# Altium PCB SunS_main_board.PcbDoc (part 1 of 2) (continued)
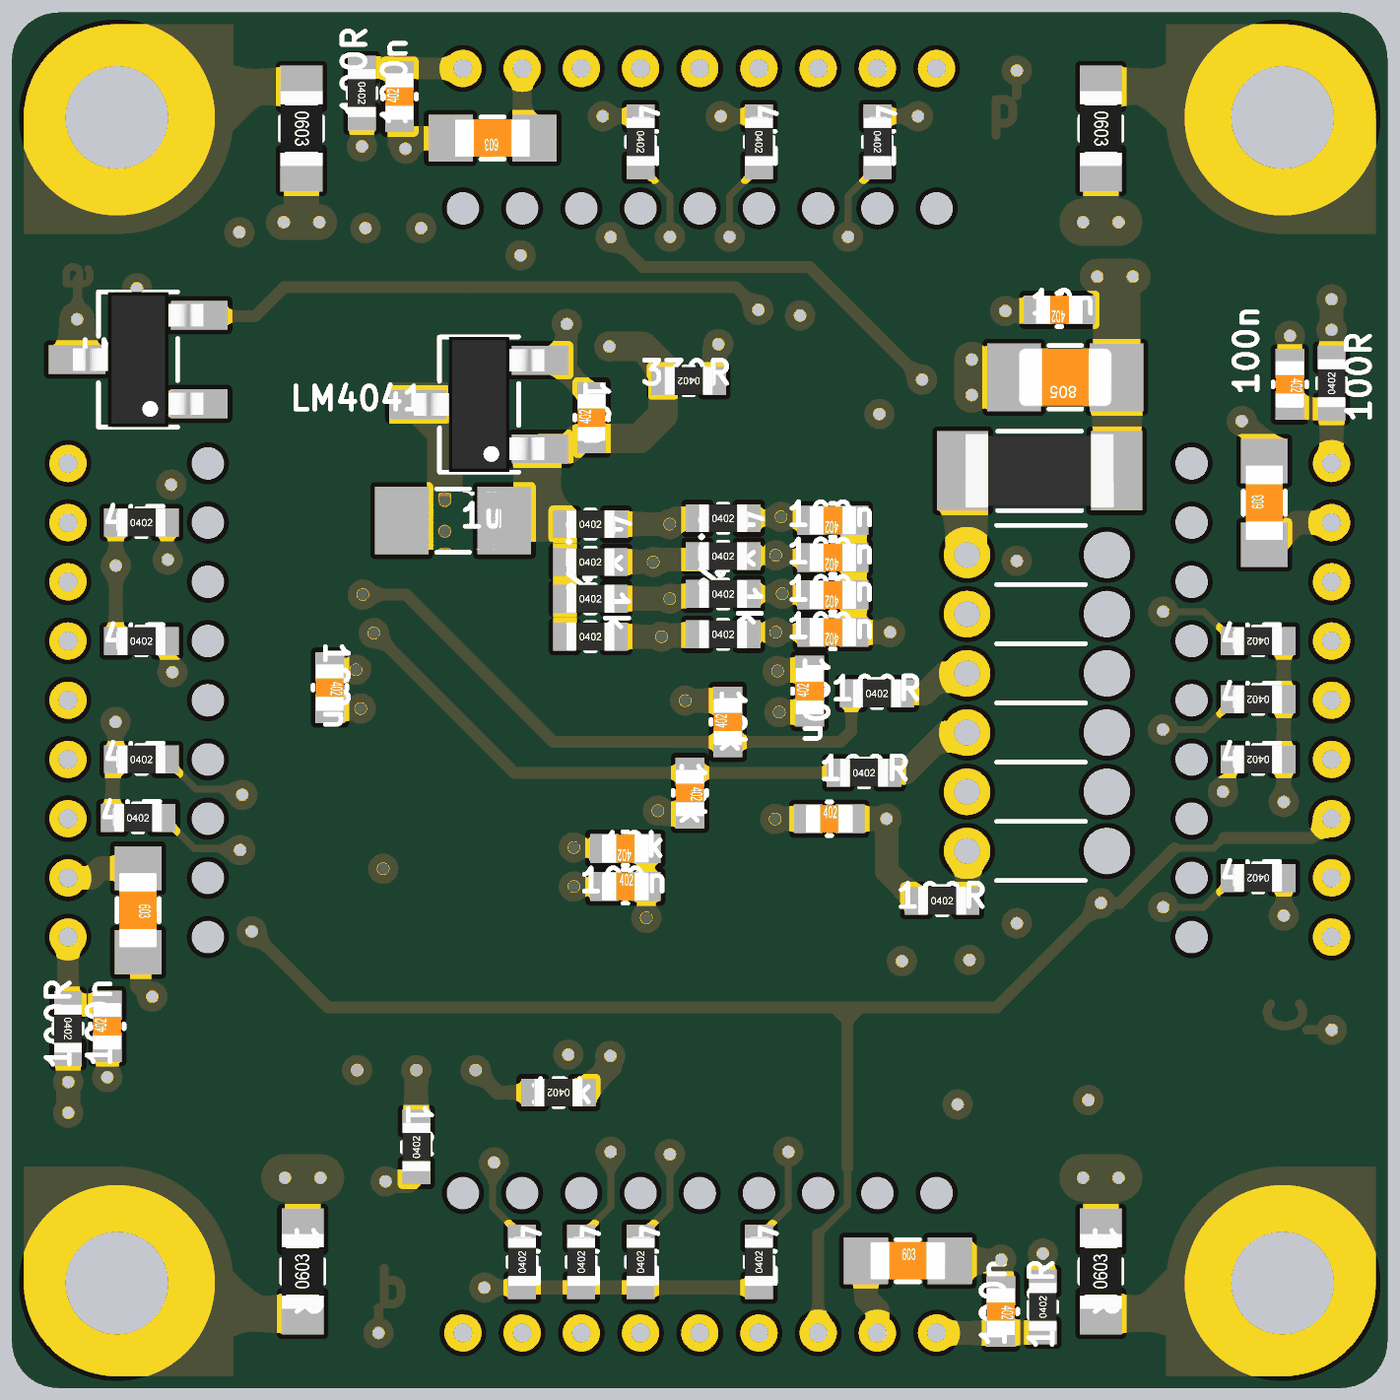
[diagram p8: 3D render of the assembled board from below, using the file's embedded part models]

## Layer stack, top to bottom
Component Side: signal copper 1.4
Dielectric 1: core 12.6, FR-4, Dk 4.8
GND: signal copper 1.417
Dielectric 3: prepreg 5, Dk 4.2
Inner Layer 1: signal copper 1.417
Dielectric 6: core 10, Dk 4.2
Inner Layer 2: signal copper 1.417
Dielectric 5: prepreg 5, Dk 4.2
VCC: signal copper 1.417
Dielectric 4: core 10, Dk 4.2
Solder Side: signal copper 1.4

## Board outline
2,-1125.05 2,-42.37 cw(c41.37,-42.37) 41.37,-3 1124.05,-3 cw(c1124.05,-42.37) 1163.42,-42.37 1163.42,-1125.05 cw(c1124.05,-1125.05) 1124.05,-1164.42 41.37,-1164.42 cw(c41.37,-1125.05)

## Design rules (kind name [scope] priority, off if disabled: settings)
BoardOutlineClearance [All] p1: gap=19.68 ignorepadtopadclearanceinfootprint=FALSE
Clearance LOGO_POLYGON [InNamedPolygon('LOGO_POLYGON') OR IsFill] p1: gap=0 ignorepadtopadclearanceinfootprint=FALSE except(3: Arc-Hole Track-Hole SMDPad-Hole THPad-Hole Via-Hole Fill-Hole Poly-Hole Region-Hole Text-Hole)
Clearance NonPlatedHoles [All vs ((Not InAnyNet) And IsPad And OnLayer('Multi-layer'))] p2: gap=7.87 ignorepadtopadclearanceinfootprint=TRUE
Clearance [All] p3: gap=6.89 ignorepadtopadclearanceinfootprint=FALSE except(3: Arc-Hole Track-Hole SMDPad-Hole THPad-Hole Via-Hole Fill-Hole Poly-Hole Region-Hole Text-Hole)
ComponentClearance [All] p1: gap=0 collisioncheckmode=3 verticalgap=0 showdistances=FALSE
PolygonConnect LOGO_POLYGON_CONNECT [InNamedPolygon('LOGO_POLYGON')] p1: connectstyle=Direct reliefconductorwidth=30 reliefentries=4 polygonreliefangle="90 Angle" airgapwidth=10
PolygonConnect [All] p2: connectstyle=Direct reliefconductorwidth=20 reliefentries=4 polygonreliefangle="90 Angle" airgapwidth=10
RoomDefinition "Microcontroller Unit" [InComponentClass('Microcontroller Unit')] p1: confinementstyle=ConfineIn formatcopy=TRUE lockcomponents=FALSE outline 303.17,-875.23 904.17,-875.23 904.17,-176.23 303.17,-176.23
RoutingVias [All] p1: holewidth=11 width=28 viastyle="Through Hole" minholewidth=9 minwidth=25 maxholewidth=13 maxwidth=29
ShortCircuit LOGO_POLYGON_SC [InNamedPolygon('LOGO_POLYGON') OR IsFill] p1: allowed=TRUE
ShortCircuit [All] p2: allowed=FALSE
SolderMaskExpansion [All] p1: expansion=4
Width Width_Logo [InNet('No Net')] p1: maxlimit=200 minlimit=1 preferedwidth=1 checkconnectedcopper=TRUE
Width [All] p2: maxlimit=100 minlimit=5.91 preferedwidth=10 toplayer_minwidth=5.91 midlayer3_maxwidth=10 midlayer4_maxwidth=10 minimp=50.000000 maximp=50.000000 favimp=50.000000 checkconnectedcopper=TRUE
28 further rules are at their usual default settings.

## Classes and differential pairs
component class "Structure Thermometer": ST_C1 ST_C2 ST_R1 ST_R2 ST_U1
component class "RTD Analog Interface": RTD_C5 RTD_C6 RTD_C7 RTD_C8 RTD_R1 RTD_R2 RTD_R3 RTD_R4 RTD_R5 RTD_R6 RTD_R7 RTD_R8
component class "Power Unit": PSU_C1 PSU_C2 PSU_FB1
component class PANELS_CONN: ALS_C1 ALS_C2 ALS_C3 ALS_C4 ALS_C5 ALS_C6 ALS_C7 ALS_C8 ALS_R1 ALS_R2 ALS_R3 ALS_R4 ALS_R5 ALS_R6 ALS_R7 ALS_R8 ALS_R9 ALS_R10 ALS_R11 ALS_R12 ALS_R13 ALS_R14 ALS_R15 ALS_R16 ALS_R17 ALS_R18 ALS_R19 ALS_R20 ALS_R21 ALS_R22 ALS_R23
component class "Microcontroller Unit": MCU_C1 MCU_C4 MCU_C5 MCU_C6 MCU_C7 MCU_C8 MCU_L1 MCU_R1 MCU_R2 MCU_R3 MCU_R4 MCU_R5 MCU_R6 MCU_R7 MCU_U1 R1 R2 R3 R5 R6 U1
component class "ALS Interface Pull-Ups": ALS_PUP_R1 ALS_PUP_R2 ALS_PUP_R3 ALS_PUP_R4 ALS_PUP_R5 ALS_PUP_R6 ALS_PUP_R7 ALS_PUP_R8 ALS_PUP_R9 ALS_PUP_R10 ALS_PUP_R11 ALS_PUP_R12 ALS_PUP_R13 ALS_PUP_R14 ALS_PUP_R15
component class 1V225_Reference: REF_C2 REF_C3 REF_R1 REF_U1
component class SunS_Connectors: C1 C2 C3 C4 H1 H2 H3 H4 K-Panel-A K-Panel-B K-Panel-C K-Panel-D MCU-RXD MCU-TXD NRST R7 R8 R9 R10 SunS_3V3_Bus SunS_GND_Bus_1 SunS_GND_Bus_2 SunS_IRQ SunS_SCL SunS_SDA TCK TDI TDO TMS
net class PWR: 3.3V-BUS 3.3V-DIG

## Components (designator, comment, footprint, x,y, rotation, side; value= is the part's Value field where it differs from the comment)
ALS_C1 "Cap" SMD_Capacitor_0603 1057,-761 r270 bottom value=100n/50V
ALS_C2 "0402" SMD_Capacitor_0402 1083,-859 r90 bottom value=100n
ALS_C3 "Cap" SMD_Capacitor_0603 407,-1057 r180 bottom value=100n/50V
ALS_C4 "0402" SMD_Capacitor_0402 328.43,-1099.94 r270 bottom value=100n
ALS_C5 "Cap" SMD_Capacitor_0603 757.71,-109 r0 bottom value=100n/50V
ALS_C6 "0402" SMD_Capacitor_0402 836.25,-74 r90 bottom value=100n
ALS_C7 "Cap" SMD_Capacitor_0603 106,-417 r90 bottom value=100n/50V
ALS_C8 "0402" SMD_Capacitor_0402 84.42,-317 r270 bottom value=100n
ALS_PUP_R1 "4.7k/1%" SMD_Resistor_0402 1054.17,-433.71 r180 bottom
ALS_PUP_R2 "4.7k/1%" SMD_Resistor_0402 732.71,-1058 r90 bottom
ALS_PUP_R3 "4.7k/1%" SMD_Resistor_0402 632.71,-112.25 r270 bottom
ALS_PUP_R4 "4.7k/1%" SMD_Resistor_0402 111.25,-533.71 r0 bottom
ALS_PUP_R5 "4.7k/1%" SMD_Resistor_0402 682.81,-1058 r90 bottom
ALS_PUP_R6 "4.7k/1%" SMD_Resistor_0402 1054.17,-533.71 r180 bottom
ALS_PUP_R7 "4.7k/1%" SMD_Resistor_0402 632.71,-1058 r90 bottom
ALS_PUP_R8 "4.7k/1%" SMD_Resistor_0402 532.71,-112.25 r270 bottom
ALS_PUP_R9 "4.7k/1%" SMD_Resistor_0402 111.25,-633.71 r0 bottom
ALS_PUP_R10 "4.7k/1%" SMD_Resistor_0402 111.25,-583 r0 bottom
ALS_PUP_R11 "4.7k/1%" SMD_Resistor_0402 1054.17,-633.71 r180 bottom
ALS_PUP_R12 "4.7k/1%" SMD_Resistor_0402 532.71,-1058 r90 bottom
ALS_PUP_R13 "4.7k/1%" SMD_Resistor_0402 432.71,-112.25 r270 bottom
ALS_PUP_R14 "4.7k/1%" SMD_Resistor_0402 111.25,-733.71 r0 bottom
ALS_PUP_R15 "4.7k/1%" SMD_Resistor_0402 1057,-683 r180 bottom
ALS_R1 "100R" SMD_Resistor_0402 1116.17,-861 r270 bottom
ALS_R2 "100R" SMD_Resistor_0402 1056.99,-761 r90 top
ALS_R3 "100R" SMD_Resistor_0402 1054.17,-433.71 r0 top
ALS_R4 "100R" SMD_Resistor_0402 732.71,-1058 r270 top
ALS_R5 "100R" SMD_Resistor_0402 632.71,-112.25 r90 top
ALS_R6 "100R" SMD_Resistor_0402 293,-1096 r90 bottom
ALS_R7 "100R" SMD_Resistor_0402 111.25,-533.71 r180 top
ALS_R8 "100R" SMD_Resistor_0402 682.81,-1058 r270 top
ALS_R9 "100R" SMD_Resistor_0402 1054.17,-533.71 r0 top
ALS_R10 "100R" SMD_Resistor_0402 632.71,-1058 r270 top
ALS_R11 "100R" SMD_Resistor_0402 407,-1057 r0 top
ALS_R12 "100R" SMD_Resistor_0402 532.71,-112.25 r90 top
ALS_R13 "100R" SMD_Resistor_0402 111.25,-633.71 r180 top
ALS_R14 "100R" SMD_Resistor_0402 111.25,-583 r180 top
ALS_R15 "100R" SMD_Resistor_0402 1054.17,-633.71 r0 top
ALS_R16 "100R" SMD_Resistor_0402 532.71,-1058 r270 top
ALS_R17 "100R" SMD_Resistor_0402 432.71,-112.25 r90 top
ALS_R18 "100R" SMD_Resistor_0402 111.25,-733.71 r180 top
ALS_R19 "100R" SMD_Resistor_0402 1056.99,-683 r0 top
ALS_R20 "100R" SMD_Resistor_0402 868,-71 r270 bottom
ALS_R21 "100R" SMD_Resistor_0402 757.71,-109 r180 top
ALS_R22 "100R" SMD_Resistor_0402 49.24,-316 r90 bottom
ALS_R23 "100R" SMD_Resistor_0402 107,-408.71 r270 top
C1 "10n/100V" SMD_Capacitor_0805 919,-101 r270 top
C2 "10n/100V" SMD_Capacitor_0805 244,-101 r270 top
C3 "10n/100V" SMD_Capacitor_0805 244,-1066 r90 top
C4 "10n/100V" SMD_Capacitor_0805 918,-1066 r90 top
H1 "Mounting Hole" SunS_PcbMntHole_M2 1074.83,-1075.83 r0 top locked
H2 "Mounting Hole" SunS_PcbMntHole_M2 90.58,-1075.83 r0 top locked
H3 "Mounting Hole" SunS_PcbMntHole_M2 90.58,-91.58 r0 top locked
H4 "Mounting Hole" SunS_PcbMntHole_M2 1074.83,-91.58 r0 top locked
K-Panel-A "AWG30 9-wire" Wire_AWG-30_9_stress-relief 1116.17,-783.71 r180 top locked
K-Panel-B "AWG30 9-wire" Wire_AWG-30_9_stress-relief 382.71,-1118 r90 top locked
K-Panel-C "AWG30 9-wire" Wire_AWG-30_9_stress-relief 49.24,-383.71 r0 top locked
K-Panel-D "AWG30 9-wire" Wire_AWG-30_9_stress-relief 782.71,-50.24 r270 top locked
MCU-RXD "Testpoint" "Testpoint pad" 772,-896 r90 top
MCU-TXD "Testpoint" "Testpoint pad" 822,-896 r90 top
MCU_C1 "0402" SMD_Capacitor_0402 645.5,-741 r180 bottom value=100n
MCU_C4 "0402" SMD_Capacitor_0402 677,-320 r180 top value=100n
MCU_C5 "0402" SMD_Capacitor_0402 490,-576 r90 bottom value=100n
MCU_C6 "0402" SMD_Capacitor_0402 676,-859 r180 top value=100n
MCU_C7 "0402" SMD_Capacitor_0402 895,-573 r270 bottom value=100n
MCU_C8 "0402" SMD_Capacitor_0402 713,-292 r0 top value=100n
MCU_L1 "10u" 0603 767,-253 r90 top
MCU_R1 "0402" SMD_Capacitor_0402 645.5,-709 r0 bottom value=10k
MCU_R2 "100R" SMD_Resistor_0402 444,-645 r180 bottom
MCU_R3 "100R" SMD_Resistor_0402 433,-578 r180 bottom
MCU_R4 "0402" SMD_Capacitor_0402 591,-662 r270 bottom value=10k
MCU_R5 "100R" SMD_Resistor_0402 378,-753 r180 bottom
MCU_R6 "0402" SMD_Capacitor_0402 559,-602 r90 bottom value=10k
MCU_R7 "0402" SMD_Capacitor_0402 473.31,-683.75 r180 bottom value=10k
MCU_U1 "ATmega324P-15AT1" TQFP-44 690.98,-589.61 r90 top
NRST "Testpoint" "Testpoint pad" 872,-896 r90 top
PSU_C1 "Cap" SMD_Capacitor_0805 274.05,-311 r0 bottom value=1u/10V
PSU_C2 "Cap" SMD_Capacitor_0402 279,-254 r0 bottom value=10n
PSU_FB1 "1k/100MHz" SMD_FerriteBead_1206 295.7,-390 r0 bottom
R1 "10k" SMD_Resistor_0402 818,-234 r270 top
R2 "10k" SMD_Resistor_0402 868,-234 r270 top
R3 "10k" SMD_Resistor_0402 918,-234 r270 top
R4 "10k" SMD_Resistor_0402 968,-234 r270 top
R5 "10k" SMD_Resistor_0402 822,-961 r90 bottom
R6 "10k" SMD_Resistor_0402 702,-915 r0 bottom
R7 "100R" SMD_Resistor_0603 918,-1066 r90 bottom
R8 "100R" SMD_Resistor_0603 244,-1066 r90 bottom
R9 "100R" SMD_Resistor_0603 244,-101 r270 bottom
R10 "100R" SMD_Resistor_0603 919,-101 r270 bottom
REF_C2 "10n/50V" SMD_Capacitor_0402 674,-345 r90 bottom
REF_C3 "Cap" SMD_Capacitor_0805 791,-432 r0 bottom value=1u/10V
REF_R1 "330R/1%" SMD_Resistor_0402 592,-314 r0 bottom
REF_U1 "LM4041-1.2" SOT23-3 769,-334 r0 bottom
RTD_C5 "0402" SMD_Capacitor_0402 470.31,-526.27 r0 bottom value=100n
RTD_C6 "0402" SMD_Capacitor_0402 470.31,-494.77 r0 bottom value=100n
RTD_C7 "0402" SMD_Capacitor_0402 470.31,-463.28 r0 bottom value=100n
RTD_C8 "0402" SMD_Capacitor_0402 470.31,-431.78 r0 bottom value=100n
RTD_R1 "1k/0.1%" SMD_Resistor_0402 675,-530 r180 bottom
RTD_R2 "1k/0.1%" SMD_Resistor_0402 675,-498 r180 bottom
RTD_R3 "1k/0.1%" SMD_Resistor_0402 675,-467 r180 bottom
RTD_R4 "1k/0.1%" SMD_Resistor_0402 675,-435 r180 bottom
RTD_R5 "1k" SMD_Resistor_0402 563,-528 r180 bottom
RTD_R6 "1k" SMD_Resistor_0402 563,-494 r180 bottom
RTD_R7 "1k" SMD_Resistor_0402 563,-462 r180 bottom
RTD_R8 "1k" SMD_Resistor_0402 563,-430 r180 bottom
ST_C1 "0402" SMD_Capacitor_0402 500,-301.9 r270 top value=100n
ST_C2 "100n/50V" SMD_Capacitor_0402 1058,-280 r90 top
ST_R1 "1k/1%" SMD_Resistor_0402 533.3,-300 r270 top
ST_R2 "100R" SMD_Resistor_0402 1058,-380 r90 top
ST_U1 "LM60" SOT23-3 1057,-296 r0 bottom
SunS_3V3_Bus "AWG28 wire" Wire_AWG-28_stress-relief 357,-461 r180 bottom locked
SunS_GND_Bus_1 "AWG28 wire" Wire_AWG-28_stress-relief 357,-511 r180 bottom locked
SunS_GND_Bus_2 "AWG28 wire" Wire_AWG-28_stress-relief 357,-661 r180 bottom locked
SunS_IRQ "AWG28 wire" Wire_AWG-28_stress-relief 357,-711 r180 bottom locked
SunS_SCL "AWG28 wire" Wire_AWG-28_stress-relief 357,-611 r180 bottom locked
SunS_SDA "AWG28 wire" Wire_AWG-28_stress-relief 357,-561 r180 bottom locked
TCK "Testpoint" "Testpoint pad" 968,-298 r90 top
TDI "Testpoint" "Testpoint pad" 818,-298 r90 top
TDO "Testpoint" "Testpoint pad" 868,-298 r90 top
TMS "Testpoint" "Testpoint pad" 918,-298 r90 top

## Footprints (in the part's own frame and the unit in brackets; to place one, negate y for a bottom-side part, rotate by r counter-clockwise, add the part's x,y. Pads: shape width x height; smd on the part's side, far side on the other; paste and mask are expansions set on the pad)
0603 [mm] "SMD Inductor, Inch 0603, Metric 1608."
  rect 0.9x0.9 smd: 1(-0.9,0) 2(0.9,0)
  silkscreen extent -0.25,-0.45 0.25,0.45, body extent -0.8,-0.45 0.8,0.45, height 0.5
SMD_Capacitor_0402 [mm] "SMD Capacitor, Inch 0402, Metric 1005."
  rect 0.62x0.62 smd: 1(-0.45,0) 2(0.45,0)
  silkscreen extent -0.05,-0.36 0.05,0.36, body extent -0.5,-0.3 0.5,0.3, height 0.2
SMD_Capacitor_0603 [mm] "SMD Capacitor, Inch 0603, Metric 1608."
  rect 0.95x1 smd: 1(-0.9,0) 2(0.9,0)
  silkscreen extent -0.25,-0.45 0.25,0.45, body extent -0.8,-0.4 0.8,0.4, height 0.3
SMD_Capacitor_0805 [mm] "SMD Capacitor, Inch 0805, Metric 2012."
  rect 1.15x1.45 smd: 1(-1.1,0) 2(1.1,0)
  silkscreen extent -0.35,-0.68 0.35,0.68, body extent -1,-0.62 1,0.63, height 0.78
SMD_FerriteBead_1206 [mm] "SMD Ferrite Bead, Inch 1206, Metric 3216."
  rect 1.1x1.7 smd: 1(-1.65,0) 2(1.65,0)
  silkscreen extent -0.9,-0.85 0.9,0.85, body extent -1.6,-0.8 1.6,0.8, height 1.1
SMD_Resistor_0402 [mm] "SMD Resistor, Inch 0402, Metric 1005."
  rect 0.5x0.6 smd: 1(-0.55,0) 2(0.55,0)
  silkscreen extent -0.1,-0.3 0.1,0.3, body extent -0.52,-0.3 0.52,0.3, height 0.34
SMD_Resistor_0603 [mm] "SMD Resistor, Inch 0603, Metric 1608."
  rect 0.9x0.9 smd: 1(-0.9,0) 2(0.9,0)
  silkscreen extent -0.25,-0.45 0.25,0.45, body extent -0.8,-0.45 0.8,0.45, height 0.5
SOT23-3 [mm] "JEDEC TO-236AB package."
  rect 1.22x0.62 smd: 1(-1.31,0.95) 2(-1.31,-0.95) 3(1.31,0)
  silkscreen extent -0.85,-1.45 0.85,1.45, body extent -1.4,-1.45 1.4,1.45, height 1.3
SunS_PcbMntHole_M2 [mm] "PCB Mounting Hole for SunS Main Board."
  round 4 hole 2.2: 1(0,0)
"Testpoint pad" [mil] "Small SMD testpoint"
  round 32 smd paste+0: 1(0,0)
  silkscreen extent -25,-25 25,25
TQFP-44 [mm]
  oval 1.45x0.55 smd: 1(-5.591,4.005) 2(-5.591,3.205) 3(-5.591,2.405) 4(-5.591,1.605) 5(-5.591,0.805) 6(-5.591,0.005) 7(-5.591,-0.795) 8(-5.591,-1.595) 9(-5.591,-2.395) 10(-5.591,-3.195) 11(-5.591,-3.995) 23(5.609,-3.995) 24(5.609,-3.195) 25(5.609,-2.395) 26(5.609,-1.595) 27(5.609,-0.795) 28(5.609,0.005) 29(5.609,0.805) 30(5.609,1.605) 31(5.609,2.405) 32(5.609,3.205) 33(5.609,4.005)
  oval 0.55x1.45 smd: 12(-3.991,-5.595) 13(-3.191,-5.595) 14(-2.391,-5.595) 15(-1.591,-5.595) 16(-0.791,-5.595) 17(0.009,-5.595) 18(0.809,-5.595) 19(1.609,-5.595) 20(2.409,-5.595) 21(3.209,-5.595) 22(4.009,-5.595) 34(4.009,5.605) 35(3.209,5.605) 36(2.409,5.605) 37(1.609,5.605) 38(0.809,5.605) 39(0.009,5.605) 40(-0.791,5.605) 41(-1.591,5.605) 42(-2.391,5.605) 43(-3.191,5.605) 44(-3.991,5.605)
  silkscreen extent -5.72,-4.45 4.46,4.95, body extent -6,-6 6,6, height 1.07
Wire_AWG-28_stress-relief [mm] "An AWG-28 wire with stress relief."
  round 1 hole 1 unplated: 0(3,0)
  round 1 hole 0.55: 1(0,0)
  silkscreen extent 0.63,-0.64 2.54,0.63
Wire_AWG-30_9_stress-relief [mm] "An AWG-30 wire with stress relief."
  round 0.7 hole 0.7 unplated: 0(3,-1.27) 0(3,0) 0(3,-3.81) 0(3,-2.54) 0(3,-6.35) 0(3,-5.08) 0(3,-10.16) 0(3,-8.89) 0(3,-7.62)
  round 0.8 hole 0.4: 1(0,0) 2(0,-1.27) 3(0,-2.54) 4(0,-3.81) 5(0,-5.08) 6(0,-6.35) 7(0,-7.62) 8(0,-8.89) 9(0,-10.16)
  silkscreen extent 0.63,-10.79 2.53,0.64

## Part data
ALS_C1 ALS_C3 ALS_C5 ALS_C7: Package=0603
ALS_C2 ALS_C4 ALS_C6 ALS_C8 MCU_C1 MCU_C4 MCU_C5 MCU_C6 MCU_C7 MCU_C8 RTD_C5 RTD_C6 RTD_C7 RTD_C8 ST_C1: library part Cap, "Capacitor", LatestRevisionDate=17-Jul-2002, LatestRevisionNote="Re-released for DXP Platform.", PackageDescription="Radial Cap, Thru-Hole; 2 Leads; 0.3 in Pin Spacing", PackageReference=RAD-0.3, Published=8-Jun-2000, Publisher="Altium Limited"
ALS_PUP_R1 ALS_PUP_R2 ALS_PUP_R3 ALS_PUP_R4 ALS_PUP_R5 ALS_PUP_R6 ALS_PUP_R7 ALS_PUP_R8 ALS_PUP_R9 ALS_PUP_R10 ALS_PUP_R11 ALS_PUP_R12 ALS_PUP_R13 ALS_PUP_R14 ALS_PUP_R15: library part CRCW04024K70FKxxxx, "4.7k/1% Vishay CRCW 0402 Resistor. 63mW, 100ppm, 50V.", Manufacturer=Vishay, Package=0402, ManufacturerPartNumber=CRCW04024K70FKxxxx
ALS_R1 ALS_R2 ALS_R3 ALS_R4 ALS_R5 ALS_R6 ALS_R7 ALS_R8 ALS_R9 ALS_R10 ALS_R11 ALS_R12 ALS_R13 ALS_R14 ALS_R15 ALS_R16 ALS_R17 ALS_R18 ALS_R19 ALS_R20 ALS_R21 ALS_R22 ALS_R23: library part CRCW040210R0FKxxxx, "10R/1% Vishay CRCW 0402 Resistor. 63mW, 100ppm, 50V.", Manufacturer=Vishay, Package=0402, ManufacturerPartNumber=CRCW040210R0FKxxxx
C1 C2 C3 C4: library part Cer_C0805T104K1RCLTU, "Ceramic Cap Kemet COTS 100n/100V X7R 0805", Manufacturer=Kemet, ManufacturerPartNumber=C0805T104K1RCLTU, Package=0805
H1 H2 H3 H4: library part MntHole, "PCB Mounting Hole"
K-Panel-A K-Panel-B K-Panel-C K-Panel-D: library part wire-awg30-9, "9 x wire AWG30 solder point."
MCU_L1: library part Inductor, "Generic Inductor", Manufacturer=TDK, Manufacturer Part Number=MLF1608E100JT000
MCU_R1 MCU_R4 MCU_R6 MCU_R7: library part Res2, "Resistor", LatestRevisionDate=17-Jul-2002, LatestRevisionNote="Re-released for DXP Platform.", PackageDescription="Axial Device, Thru-Hole; 2 Leads; 0.4 in Pin Spacing", PackageReference=AXIAL-0.4, Published=8-Jun-2000, Publisher="Altium Limited"
MCU_R2 MCU_R3 MCU_R5: library part CRCW0402100RFKxxxx, "100R/1% Vishay CRCW 0402 Resistor. 63mW, 100ppm, 50V.", Manufacturer=Vishay, Package=0402, ManufacturerPartNumber=CRCW0402100RFKxxxx
MCU_U1: "8-bit Automotive AVR Microcontroller, 32KB Flash, 1KB EEPROM, 2KB SRAM, Reduced Automotive Grade (-40°C to +105°C), 44-Pin TQFP", ComponentLink1Description="Manufacturer URL", ComponentLink1URL=http://www.atmel.com/, ComponentLink2Description="ATmega164P/324P/644P Datasheet", ComponentLink2URL=http://www.atmel.com/dyn/resources/prod_documents/doc7674.pdf, ComponentLink3Description="ATmega164P/324P/644P Summary", ComponentLink3URL=http://www.atmel.com/dyn/resources/prod_documents/7674S.pdf, DatasheetVersion="revF, Sep-2009", PackageDescription="44-Pin Plastic Thin Quad Flat Pack, 10 x 10 x 1.0 mm Body, 0.8 mm Pitch (TQFP)", PackageReference=44ML, PackageVersion="rev.G, Jul-2007"
PSU_C1 REF_C3: Package=0805
PSU_C2: Dielectric=C0G, Package=0402
PSU_FB1: library part BLM15AX102SN1D, "Ferrite bead, 0402, 0.49OHM, 0.35A.", Current Rating=0.35A, Manufacturer=Murata, Package=1206, Series Resistance DC=0.49R, ManufacturerPartNumber=BLM15AX102SN1D
R1 R2 R3 R4 R5 R6: library part Res, Package=0402
R7 R8 R9 R10: library part Res, Package=0603
REF_C2 ST_C2: library part Cer_C0402T103K5RALTU, "Ceramic Cap Kemet COTS 10n/50V X7R 0402", Manufacturer=Kemet, ManufacturerPartNumber=C0402T103K5RALTU, Package=0402
REF_R1 RTD_R1 RTD_R2 RTD_R3 RTD_R4 RTD_R5 RTD_R6 RTD_R7 RTD_R8 ST_R1 ST_R2: library part CRCW04021K00FKxxxx, "1k/1% Vishay CRCW 0402 Resistor. 63mW, 100ppm, 50V.", Manufacturer=Vishay, Package=0402, ManufacturerPartNumber=CRCW04021K00FKxxxx
REF_U1: library part LM4041AIM3X-1.2/NOPB, "Shunt FIXED V-REF, 1.225V", Manufacturer="Texas Instruments", HelpUrl=http://www.ti.com/lit/ds/symlink/lm4041c.pdf, ManufacturerPartNumber=LM4041AIM3X-1.2/NOPB
ST_U1: "Analog temperature sensor"
SunS_3V3_Bus SunS_GND_Bus_1 SunS_GND_Bus_2 SunS_IRQ SunS_SCL SunS_SDA: library part wire-awg30-1, "Single wire AWG28 solder point."

## Via types
v1: diameter 25.59, hole 9.84, Component Side to Solder Side, tented both sides, 106 vias

## Nets (pads, with @x,y where several pads share a name; then routed paths per layer and width w, separated by ;. In a path a pad name is that pad's centre, name@x,y a point inside that pad or via, vN(x,y) a via of type N, cw(c..) or ccw(c..) an arc to the next point about the centre after c; other vN are vias at no path point)
1.225-REF: MCU_C4.2 MCU_U1.29 REF_C2.1 REF_C3.1 REF_R1.2 REF_U1.1 RTD_R1.1 RTD_R2.1 RTD_R3.1 RTD_R4.1 | length 452.1
  Component Side w20: v1(659,-285) 659,-319.72 MCU_C4.2@659.28,-320 MCU_U1.29@659.28,-368.79
  Solder Side w20: RTD_R1.1@696.65,-530 RTD_R2.1@696.65,-498 RTD_R3.1@696.65,-467 RTD_R4.1@696.65,-435 696.65,-427.65 720,-404.31
  Solder Side w25: v1(659,-285) 631,-285 613.65,-302.35 REF_R1.2@613.65,-314 613.65,-342.65 633.72,-362.72 REF_C2.1@674,-362.72 684.71,-362.72 693.39,-371.4 REF_U1.1@717.43,-371.4
  Solder Side w40: 720,-404.31 REF_U1.1@720,-380
3.3V-BUS: PSU_FB1.2 SunS_3V3_Bus.1 | length 72.3
  Solder Side w30: PSU_FB1.2@357.71,-392.95 PSU_FB1.2@360.66,-390
  Solder Side w35: SunS_3V3_Bus.1@357.71,-461.07 PSU_FB1.2@357.71,-392.95
3.3V-DIG: ALS_PUP_R1.1 ALS_PUP_R2.1 ALS_PUP_R3.1 ALS_PUP_R4.1 ALS_PUP_R5.1 ALS_PUP_R6.1 ALS_PUP_R7.1 ALS_PUP_R8.1 ALS_PUP_R9.1 ALS_PUP_R10.1 ALS_PUP_R11.1 ALS_PUP_R12.1 ALS_PUP_R13.1 ALS_PUP_R14.1 ALS_PUP_R15.1 ALS_R1.2 ALS_R6.2 ALS_R20.2 ALS_R22.2 MCU_C5.2 MCU_C6.2 MCU_C7.2 MCU_L1.2 MCU_R1.2 MCU_R4.2 MCU_R6.2 MCU_U1.5 MCU_U1.17 MCU_U1.38 PSU_C1.1 PSU_C2.1 PSU_FB1.1 R1.1 R2.1 R3.1 R4.1 R5.1 R6.1 REF_R1.1 ST_R2.1 | length 1612.2
  Component Side w18: v1(658.28,-884) MCU_C6.2@658.28,-859 659.28,-858 MCU_U1.5@659.28,-809.73
  Component Side w20: MCU_U1.38@470.31,-557.76 470.54,-558 v1@517,-558 ; R1.1@818,-212.35 v1(818,-185) ; v1(865,-185) 868,-188 R2.1@868,-212.35 R3.1@918,-212.35 ; v1@870,-590.72 909.8,-590.72 MCU_U1.17@911.25,-589.26 ; R4.1@968,-212.35 968,-192 v1(971.5,-188.5) ; v1(1029,-401.65) ST_R2.1@1058,-401.65
  Component Side w30: v1(734,-208) 743.57,-217.57 MCU_L1.2@767,-217.57
  Solder Side w12: v1@89.59,-764.59 ALS_PUP_R14.1@89.59,-733.71 ; v1(89.59,-669.59) ALS_PUP_R9.1@89.59,-633.71 ALS_PUP_R10.1@89.59,-583 ALS_PUP_R4.1@89.59,-533.71 ; v1(398.41,-90.59) ALS_PUP_R13.1@432.71,-90.59 ; ALS_PUP_R12.1@532.71,-1079.66 ALS_PUP_R7.1@632.71,-1079.66 ALS_PUP_R2.1@732.71,-1079.66 v1@763.66,-1079.66 ; ALS_PUP_R8.1@532.71,-90.59 v1@564,-90.59 ; ALS_PUP_R3.1@632.71,-90.59 v1(664.59,-90.59) ; MCU_R1.2@663.22,-709 688,-709 v1(689,-708) ; ALS_PUP_R6.1@1075.82,-533.71 v1(1075.82,-470) ALS_PUP_R1.1@1075.82,-433.71 ; v1(1076,-602) 1076,-633.53 ALS_PUP_R11.1@1075.82,-633.71 1078.65,-636.54 ALS_PUP_R15.1@1078.65,-683
  Solder Side w20: ALS_R22.2@49.24,-294.35 v1(49.24,-270.98) v1(49.24,-245.17) ; ALS_R6.2@293,-1074.35 v1(293,-1050.98) ; MCU_C5.2@490,-558.28 v1@516.28,-558.28 ; v1@516.28,-557.28 v1@517,-558 ; MCU_R6.2@560,-584.28 560.28,-584 v1(595,-584) ; v1(567,-283) 570.35,-286.35 REF_R1.1@570.35,-314 ; MCU_R4.2@591,-679.72 616.28,-679.72 v1@618,-678 ; v1(658.28,-884) 658.28,-892.94 R6.1@680.35,-915 ; R5.1@822,-982.65 829.35,-990 v1(848,-990) ; v1(868,-116.02) ALS_R20.2@868,-92.65 ; v1(869,-590.72) MCU_C7.2@895,-590.72 ; v1(1116,-932) v1(1116,-906) 1116,-882.83 ALS_R1.2@1116.17,-882.65
  Solder Side w30: v1(217,-226) v1(247,-226)
  Solder Side w40: PSU_FB1.1@230.74,-390 PSU_C1.1@230.74,-311 230.74,-235
  other v1: 764.66,-1079.66 89.59,-765.59 618,-677 517,-559 565,-90.59
3V3-AVCC: MCU_C8.2 MCU_L1.1 MCU_U1.27 | length 118
  Component Side w18: MCU_U1.27@722.28,-368.79 722.28,-338.72 730.72,-330.28 MCU_C8.2@730.72,-292 763.43,-292 MCU_L1.1@767,-288.43
AT_NRST: MCU_C1.2 MCU_R1.1 MCU_U1.4 NRST.1 | length 481.6
  Component Side w10: MCU_U1.4@627.79,-809.73 627.79,-892.79 675,-940 855,-940 872,-923 v1(872,-896)
  Component Side w12: MCU_U1.4@627.79,-809.73 v1(627.79,-767.46)
  Solder Side w12: v1(627.79,-767.46) MCU_C1.2@627.79,-741 MCU_R1.1@627.79,-709
GND: ALS_C1.2 ALS_C2.1 ALS_C3.2 ALS_C4.1 ALS_C5.2 ALS_C6.1 ALS_C7.2 ALS_C8.1 ALS_R2.1 ALS_R11.1 ALS_R21.1 ALS_R23.1 C1.2 C2.2 C3.2 C4.2 MCU_C1.1 MCU_C4.1 MCU_C5.1 MCU_C6.1 MCU_C7.1 MCU_C8.1 MCU_R7.1 MCU_U1.6 MCU_U1.18 MCU_U1.28 MCU_U1.39 PSU_C1.2 PSU_C2.2 R7.2 R8.2 R9.2 R10.2 REF_C2.2 REF_C3.2 REF_U1.2 REF_U1.3 RTD_C5.1 RTD_C6.1 RTD_C7.1 RTD_C8.1 ST_C1.1 ST_C2.2 ST_U1.3 SunS_GND_Bus_1.1 SunS_GND_Bus_2.1 | length 2330.5
  Component Side w6: 55,-342 v1@124.48,-342 ; 340.24,-1119.63 340.24,-1057 340.24,-1050.16 ; v1@824.44,-123.78 824.44,-111.19 824.44,-54.31 ; v1@1051.52,-825 1056.99,-825 1121,-825
  Component Side w8: 287.99,-849.9 277.4,-800.3 284.3,-797.1 284.57,-797.91 301.66,-849.08
  Component Side w18: MCU_U1.6@690.78,-809.73 690.78,-856.06 MCU_C6.1@693.72,-859 v1(693.72,-883) v1@693.72,-884 ; MCU_U1.28@690.78,-368.79 690.78,-342.22 694.72,-338.28 MCU_C4.1@694.72,-320 694.72,-292.57 MCU_C8.1@695.28,-292 695,-291.72 v1(695,-266) v1@695,-262 ; v1(873,-558) 872.72,-558 872.48,-557.76 MCU_U1.18@911.25,-557.76
  Component Side w20: ALS_R23.1@107,-387.06 107,-361.35 120.35,-348 v1(125,-348) ; v1(328.17,-1055.98) 329.19,-1057 340.24,-1057 ALS_R11.1@385.34,-1057 ; MCU_U1.39@470.31,-589.26 512.13,-589.26 v1@515.58,-592.72 ; ST_C1.1@498,-283.1 v1(498,-258.75) ; ALS_R21.1@779.36,-109 822.25,-109 824.44,-111.19 v1(831.25,-118) ; v1(1045,-834) 1048,-834 1056.99,-825 ALS_R2.1@1056.99,-782.65 ; ST_C2.2@1058,-262.28 v1(1058,-235.91)
  Component Side w27: v1(904,-180) C1.2@904,-150 ; v1(934,-180) C1.2@934,-150
  Component Side w30: v1(904,-180) v1(934,-180)
  Component Side w40: v1(229,-987) v1(259,-987) ; v1(229,-180) v1(259,-180) ; v1(903,-987) v1(933,-987)
  Solder Side w8: v1(49,-862) 70,-862 ; 315,-73 v1(315,-52) ; v1(854,-1118) 854,-1097 ; v1@1108,-266.77 1108,-228
  Solder Side w12: MCU_C1.1@663.22,-741 v1(689,-741) ; v1@866,-555.28 868.72,-558 v1(873,-558)
  Solder Side w18: ALS_C8.1@84.42,-301.96 ALS_C8.1@84.68,-302.22 ; ALS_C4.1@328.17,-1081.97 ALS_C4.1@328.43,-1082.23 ; REF_C2.2@674,-327.28 695,-306.28 REF_U1.2@695,-296.6 ; v1(695,-266) REF_U1.2@695,-296.6 ; REF_U1.2@717.43,-296.6 REF_U1.2@695,-296.6 ; v1(1045,-834) 1054.91,-824.09 1054.91,-796.43 ALS_C1.2@1057,-796.43 ; v1(1083,-902) ALS_C2.1@1083,-876.72
  Solder Side w20: ALS_C8.1@84.42,-301.96 ALS_C8.1@84.42,-299.28 v1(84.42,-275.98) ; ALS_C7.2@106,-381.57 106,-367 v1(125,-348) ; PSU_C2.2@304,-255 v1(324.64,-255) ; PSU_C1.2@317.35,-311 332.35,-296 v1(353,-296) ; ALS_C4.1@328.17,-1081.97 v1(328.17,-1055.98) 329.19,-1057 ALS_C3.2@371.57,-1057 ; PSU_C1.2@332.35,-326 v1(353,-326) ; v1@427.27,-526.27 RTD_C5.1@452.59,-526.27 RTD_C8.1@452.59,-431.78 ; MCU_C5.1@490,-593.72 v1(515.58,-593.72) ; MCU_R7.1@491.02,-683.75 517.75,-683.75 v1@518,-684 ; ALS_C5.2@793.14,-109 822.25,-109 v1(831.25,-118) 836.25,-113 ALS_C6.1@836.25,-91.71 ; v1(873,-558) 892.28,-558 MCU_C7.1@895,-555.28
  Solder Side w30: R8.2@244,-1030.56 244,-1002 ; 244,-165 R9.2@244,-136.44 ; v1(353,-326) v1(353,-296) ; REF_U1.3@820.57,-334 798,-356.57 v1(798,-415.06) 798,-440 REF_C3.2@826.31,-440 ; v1(904,-180) v1(934,-180) ; R7.2@918,-1030.56 918,-1002 ; 919,-165 R10.2@919,-136.44 ; ST_U1.3@1108.57,-288 v1(1108.57,-262)
  Solder Side w40: v1(229,-987) v1(259,-987) ; v1(229,-180) v1(259,-180) ; v1(903,-987) v1(933,-987)
  other v1: 365,-925 254.67,-921.3 519,-684 422,-526.27 798,-441
IRQ: MCU_R5.1 MCU_R7.2 MCU_U1.42 | length 155.6
  Component Side w20: v1(425,-683.75) MCU_U1.42@470.31,-683.75
  Solder Side w20: MCU_R5.1@399.65,-753 425,-727.65 v1(425,-683.75) MCU_R7.2@455.59,-683.75
MCU_RXD: MCU-RXD.1 MCU_U1.9 R6.2 | length 148
  Component Side w12: v1(772,-896) 772,-874 785.27,-860.73 MCU_U1.9@785.27,-809.73
  Solder Side w12: R6.2@723.65,-915 753,-915 v1(772,-896)
MCU_TXD: MCU-TXD.1 MCU_U1.10 R5.2 | length 131.8
  Component Side w12: MCU_U1.10@816.76,-809.73 816.76,-852.76 822,-858 v1(822,-896)
  Solder Side w20: R5.2@822,-939.35 v1(822,-896)
NetALS_C1_1: ALS_C1.1 ALS_R2.2 K-Panel-A.2 | length 124.1
  Component Side w20: ALS_R2.2@1056.99,-739.34 1081.66,-739.34 1087.29,-733.71 K-Panel-A.2@1116.17,-733.71
  Solder Side w20: ALS_C1.1@1057,-725.56 1088.56,-725.56 1096.71,-733.71 K-Panel-A.2@1116.17,-733.71
NetALS_C2_2: ALS_C2.2 ALS_R1.1 K-Panel-A.1 | length 90.7
  Solder Side w18: ALS_C2.2@1083,-841.28 1116.17,-841.28 ALS_R1.1@1116.17,-839.35 K-Panel-A.1@1116.17,-783.71
NetALS_C3_1: ALS_C3.1 ALS_R11.2 K-Panel-B.2 | length 127.7
  Component Side w20: ALS_R11.2@428.65,-1057 428.65,-1081.65 432.71,-1085.71 K-Panel-B.2@432.71,-1118
  Solder Side w20: K-Panel-B.2@432.71,-1118 432.71,-1098.29 442.43,-1088.57 ALS_C3.1@442.43,-1057
NetALS_C4_2: ALS_C4.2 ALS_R6.1 K-Panel-B.1 | length 90.5
  Solder Side w20: ALS_R6.1@293,-1117.66 ALS_C4.2@328.43,-1117.66 328.09,-1118 K-Panel-B.1@382.71,-1118
NetALS_C5_1: ALS_C5.1 ALS_R21.2 K-Panel-D.2 | length 110.8
  Component Side w20: K-Panel-D.2@732.71,-50.24 731.57,-51.39 736.06,-55.88 ALS_R21.2@736.06,-109
  Solder Side w15.75: ALS_C5.1@732.71,-100 K-Panel-D.2@732.71,-50.24
NetALS_C6_2: ALS_C6.2 ALS_R20.1 K-Panel-D.1 | length 79.3
  Solder Side w18: K-Panel-D.1@782.71,-50.24 821.35,-50.24 ; 821.35,-49.34 ALS_R20.1@862,-49.34
NetALS_C7_1: ALS_C7.1 ALS_R23.2 K-Panel-C.2 | length 123.7
  Component Side w20: K-Panel-C.2@49.24,-433.71 77.94,-433.71 81.29,-430.36 ALS_R23.2@107,-430.36
  Solder Side w20: K-Panel-C.2@49.24,-433.71 78.71,-433.71 97.43,-452.43 ALS_C7.1@106,-452.43
NetALS_C8_2: ALS_C8.2 ALS_R22.1 K-Panel-C.1 | length 81.2
  Solder Side w18: ALS_R22.1@49.24,-337.65 ALS_C8.2@84.41,-337.65
  Solder Side w20: K-Panel-C.1@49.24,-383.71 ALS_R22.1@49.24,-337.65
NetC1_1: C1.1 H4.1 R10.1 | length 347.8
  Component Side w40: C1.1@919,-57.69 1040.94,-57.69 H4.1@1074.83,-91.58
  Solder Side w30: R10.1@919,-65.57 1040.82,-65.57 1040.82,-57.57 H4.1@1074.83,-91.58
NetC2_1: C2.1 H3.1 R9.1 | length 331.6
  Component Side w40: H3.1@90.58,-91.58 124.47,-57.69 C2.1@244,-57.69
  Solder Side w30: H3.1@90.58,-91.58 116.6,-65.57 R9.1@244,-65.57
NetC3_1: C3.1 H2.1 R8.1 | length 298.5
  Component Side w40: H2.1@90.58,-1075.83 124.47,-1109.72 C3.1@217,-1109.72
  Solder Side w30: H2.1@90.58,-1075.83 H2.1@116.18,-1101.43 ; H2.1@124.6,-1101.85 R8.1@246.42,-1101.85
NetC4_1: C4.1 H1.1 R7.1 | length 329.9
  Component Side w40: C4.1@918,-1109.72 1040.94,-1109.72 H1.1@1074.83,-1075.83
  Solder Side w30: R7.1@918,-1101.85 H1.1@1040.82,-1101.85 ; H1.1@1049.24,-1101.43 H1.1@1074.83,-1075.83
NetMCU_R2_1: MCU_R2.1 MCU_R4.1 MCU_U1.19 | length 494.5
  Component Side w20: v1@857.98,-526.27 MCU_U1.19@911.25,-526.27
  Solder Side w10: MCU_R2.1@465.65,-645 738.99,-645 856.99,-527 v1(858,-527)
NetMCU_R2_2: MCU_R2.2 SunS_SCL.1 | length 79.5
  Solder Side w20: SunS_SCL.1@357,-611 375,-611 408.85,-644.85 MCU_R2.2@422.5,-644.85
NetMCU_R3_1: MCU_R3.1 MCU_R6.1 MCU_U1.20 | length 545.8
  Component Side w20: v1(867.23,-494.52) 866.48,-494.52 866.23,-494.77 MCU_U1.20@911.25,-494.77
  Solder Side w10: MCU_R3.1@454.65,-578 454.65,-609.65 464,-619 706,-619 830.48,-494.52 v1(867.23,-494.52)
NetMCU_R3_2: MCU_R3.2 SunS_SDA.1 | length 61.4
  Solder Side w20: SunS_SDA.1@357,-561 376,-561 393,-578 MCU_R3.2@411.35,-578